# KiCad board electrosteel2020_10_arrange7_synthboardsonlyrev6.kicad_pcb (continued)
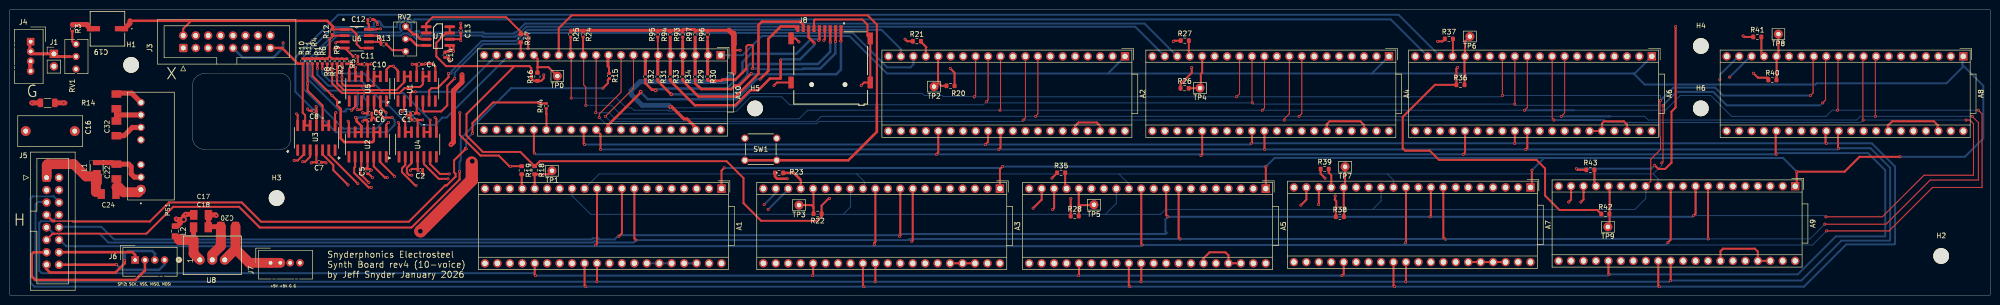
[diagram p0: board, top side]
## Routing (per net, layer and track width the routed paths; a pad name or vN(x,y) marks a point on that pad's centre or on a via; arc(x,y) is an arc through that point)
+3V3: length 105.9
  Top w0.4: 147.68,50 v3(149,50) ; J8.P4 166.26,52.21 v3(166.06,52.01)
  Top w0.61: 114.41,54.07 137.27,54.07 137.44,54.23 139.64,54.23 139.81,54.07 146.75,54.07 ; v4(134.75,38.44) 135.06,38.44 137.52,35.98 138.16,35.98 139.81,34.33 139.81,33.82
  Top w1.016: 146.75,54.07 147.75,53.07 147.75,51.25 147.68,51.18 ; v4(147.68,45.38) 147.68,53.5
  In2.Cu w0.4: v3(166.06,52.01) 165.1,52.97 155.72,52.97 152.75,50 v3(149,50)
  Bottom w1.016: v4(134.75,38.44) 134.44,38.75 129,38.75 126.75,41 126.75,41.75 128.6,43.6 145.91,43.6 v4(147.68,45.38)
+12V: length 44.2
  Top w0.4: 34.67,14.6 34.85,14.78
  Top w0.508: L1.P$1 17.75,24.25 ; C24.1 17.95,20.65 17.55,21.05
  Top w1: C17.1 37.39,16.52 v3(35.88,16.52) 35.48,16.12 v1(35.48,15.45) 34.86,15.45 ; 34.85,14.78 34.67,14.96 34.67,15.26 34.86,15.45 ; 34.86,15.45 34.07,15.45 v3(33.94,15.58)
  Top w1.016: L2.1 34.18,14.11 34.67,14.6
  Top w2: 7.54,24.12 7.54,26.54 7.75,26.75 13.05,26.75 15.55,24.25 17.75,24.25 17.75,23.05 17.55,22.85 17.55,21.05
  Top w2.5: 94.24,27.09 94.24,23.5 83.8,13.06 v2(83.75,13.06)
  vias: v2(94.34,27.34)
+15V: length 150.5
  Top w0.4: U4.11 83.21,35.61 C1.1 v3(84.22,35.78) 84.25,35.75 ; U7.6 91.75,52.25 v3(92,52) C13.1 ; v3(75.62,54.38) 74.88,54.38 74.75,54.25 U6.8 73.25,55.25 73,55.5 73.04,55.54 C12.1 ; U5.11 73.04,46.9 C10.1 73.63,47.13 v3(73.75,47.25) ; U3.11 C8.1 62.54,38.46 v3(62.5,38.5) ; U1.11 C4.1 v3(82.12,47.13) 82,47.25 ; v3(72,35.5) 72.25,35.75 C6.1 72.98,35.56 U2.11
  Top w1: PS1.6 25,34.25 23.3,32.55 C32.1
  In2.Cu w0.4: 74,47.25 v3(73.75,47.25)
  In2.Cu w1: 67.25,30.75 79.19,30.75 v3(84.22,35.78) 85.25,36.81 85.25,44 v3(82.12,47.13) ; 67.25,30.75 64,30.75 62.5,32.25 ; 67.25,30.75 v3(72,35.5) ; 76.5,48.25 75,48.25 74,47.25 ; 76.5,48.25 76.5,53.5 v3(75.62,54.38) ; 76.5,48.25 81,48.25 v3(82.12,47.13) ; v3(82.12,47.13) 86.99,52 v3(92,52) ; 62.5,32.25 60.25,32.25 56,28 37,28 30.75,34.25 PS1.6 ; 62.5,32.25 v3(62.5,38.5)
-15V: length 206.9
  Top w0.4: v3(90.5,49.77) 90.5,50.75 90.27,50.98 U7.5 89.75,50 ; v3(83.48,36.98) 83.48,37.02 83.37,37.13 82.75,37.13 83,37.38 U1.4 ; U4.4 83.21,25.82 83.25,25.78 82.03,25.78 v3(81.75,25.5) ; U3.4 62.54,27.17 C7.2 61.63,27.13 v3(61.5,27) ; U5.4 73.04,37.28 C9.2 72.12,37.13 v3(72,37.25) ; U2.4 72.98,26.18 72.71,25.91 72.71,25.75 73.5,25.75 v3(73.75,25.5) ; v3(66.25,50.25) 66.44,50.44 U6.4 68.35,50.44 C11.1
  Top w0.508: 88.75,49.71 89.46,49.71 89.75,50
  Top w1: C23.2 21.95,41.25 24.83,41.25 PS1.8 ; v3(92.25,45) 92.25,43.5 90.5,41.75 90.5,31.25 v3(90,30.75)
  In2.Cu w1: v3(83.48,36.98) 80.97,39.5 74.25,39.5 v3(72,37.25) 72,46.79 72.03,46.82 72.03,47.68 72,47.71 72,48.75 70.5,50.25 v3(66.25,50.25) 67.5,50.25 73.75,56.5 74.24,56.5 74.5,56.76 75.74,56.76 76,56.5 85.25,56.5 87.75,54 93.25,54 93.75,53.5 93.75,51.5 92.02,49.77 v3(90.5,49.77) 90.5,49.25 92.25,47.5 v3(92.25,45) ; 60.5,26 36,26 32.75,29.25 25.25,29.25 23.25,31.25 23.25,37.5 25.08,39.33 PS1.8 ; 60.5,26 61.5,25 61.75,25 62.5,24.25 72.5,24.25 v3(73.75,25.5) v3(81.75,25.5) 83,26.75 86.5,26.75 86.5,27.25 v3(90,30.75) ; 60.5,26 v3(61.5,27)
DGND4: length 61.6
  Top w0.4: v3(155.9,42.81) 156.5,43.41 J8.SH1 ; J8.SH2 160.27,52.41 v3(160.98,51.7) ; v3(173.68,42.81) 174.28,43.41 J8.SH4 J8.SH3 174.95,52.99 174.95,55.23 173.91,56.27 164.28,56.27 164.06,56.05 J8.P6
  Top w1: v3(42.11,16.27) 41.98,16.39 C17.2 40.52,13.88 C18.2 40.62,13.98 C20.2 ; 4.75,39.25 v3(4.5,39.25) R14.1 ; 21.75,22.05 C22.2
  Top w2: 21.75,22.05 22.2,22.05 23.25,21 26.2,21 PS1.1 ; U8.2 41.31,8.3 43.05,10.04 43.05,13.98 C20.2
  Bottom w0.4: A1.36 A1.35 A1.34
GNDINT: length 63.4
  Top w0.4: U1.14 79.19,45.81 v3(78.25,46.75) 77.5,46.75 76.85,46.1 U5.8 ; C13.2 v3(92,55.5) ; v3(75,55.25) 75,55.65 74.4,56.25 C12.2 ; U2.8 76.79,34.79 v3(77.25,35.25) ; 83.12,52.88 82.75,53.25 ; 83.12,52.88 v3(83.12,53.12) ; 83.12,52.88 83.75,52.25 U7.3 ; U2.14 69.17,35.33 v3(69,35.5) ; U4.8 87.02,35.98 v3(86.75,36.25) ; v3(66.5,51.5) 66.71,51.71 U6.3 ; v3(64.5,27) 64.37,27.13 C7.1 ; 81.79,36.75 81.79,36.07 C1.2 ; 81.79,36.75 81.79,37.13 ; 81.79,36.75 81.5,36.75 81.45,36.8 81.41,36.75 v3(81,36.75) ; U4.14 79.4,35.1 v3(79.25,35.25) ; v3(60.75,38) 61.12,37.63 C8.2 ; C10.2 71.12,47.13 v3(71,47.25) C11.2 ; v3(58.5,37) 58.73,36.77 U3.14 ; v3(74.71,35.74) 74.71,35.79 74.25,36.25 73.85,36.25 ; 84.21,25.78 84.25,25.74 v3(84.25,24.5) ; C14.2 89.48,48.52 89.75,48.25 v3(89.75,47.75) ; U3.8 66.35,37.1 v3(66.5,37.25) ; v3(69.48,46.48) 69.23,46.23 U5.14 ; 73.85,36.25 73.85,35.85 C6.2 ; 73.85,36.25 C9.1 ; U1.8 86.81,46.69 86.25,47.25 v3(84.75,47.25) 84.63,47.13 C4.2 ; C5.1 73.21,24.79 v3(74,24)
  Top w0.508: RV2.3 82.33,53.25 82.75,53.25
  Top w0.61: 4.08,45.5 4.08,47.5 4.08,47 4.35,46.73
  Top w1: 9.17,39.25 v3(11,39.25) 11.25,39.25 ; PS1.7 21.79,36.79 21.75,36.75 ; 21.75,36.75 C32.2 ; 21.75,36.75 C23.1
/electrosteel2020_10_arrange7_synthboardsonlyrev6_1/CLK: length 44.6
  Top w0.508: 129.65,43.76 129.65,43.28 131,41.93 131.63,41.93 v4(131.75,41.81) ; J8.P5 165.16,52.16 v3(165.02,52.02)
  Bottom w0.508: v4(131.75,41.81) 131.99,42.05 133.79,42.05 133.92,42.18 146.25,42.18 149.46,45.39 149.46,47.56 151.17,49.27 160.45,49.27 163.4,52.22 164.82,52.22 v3(165.02,52.02)
/electrosteel2020_10_arrange7_synthboardsonlyrev6_1/CMD: length 46.7
  Top w0.4: 132.19,43.76 R31.2
  Top w0.508: 132.19,43.76 132.19,43.73 v4(134.92,41) ; v3(167.37,51.62) 167.36,51.63 J8.P3
  Bottom w0.508: v4(134.92,41) 147.66,41 148.8,42.14 148.8,43.21 150.49,44.9 150.47,44.93 150.47,46.68 150.98,47.19 164.87,47.19 167.37,49.69 v3(167.37,51.62)
/electrosteel2020_10_arrange7_synthboardsonlyrev6_1/DAT0: length 42.9
  Top w0.4: 134.73,43.76 R33.2
  Top w0.508: 134.73,43.76 139.72,38.77 147.99,38.77 151.06,41.84 152.67,41.84 155.06,44.23 157.25,44.23 v3(157.25,47.98) ; J8.P7 162.96,52.64 164.09,51.51 v3(164.09,51.43)
  Bottom w0.508: v3(164.09,51.43) 164.09,51.03 161.2,48.14 157.42,48.14 v3(157.25,47.98)
/electrosteel2020_10_arrange7_synthboardsonlyrev6_1/DAT1: length 39.5
  Top w0.4: 137.27,43.76 R34.2
  Top w0.508: J8.P8 161.86,55.22 161.25,55.83 153.43,55.83 152.73,55.13 152.73,45.2 148.1,40.57 148.1,40.55 140.48,40.55 137.27,43.76
/electrosteel2020_10_arrange7_synthboardsonlyrev6_1/DAT2: length 41.2
  Top w0.4: 139.81,43.76 R29.2
  Top w0.508: 169.5,51.86 169.56,51.92 J8.P1 ; 139.81,43.76 139.81,43.26 140.48,42.58 140.57,42.58 141.08,42.07 147.18,42.07 147.94,42.84 148.84,42.84 v3(151.25,45.25)
  Bottom w0.508: v3(151.25,45.25) 151.4,45.1 168.6,45.1 169.55,46.05 v3(169.55,51.84)
/electrosteel2020_10_arrange7_synthboardsonlyrev6_1/DAT3: length 43.6
  Top w0.4: 150.25,46.25 150.25,50.75 150.57,51.06 151.45,51.06 151.58,50.94 151.58,46.4 v3(151.43,46.25) ; 142.35,43.76 R30.2
  Top w0.508: J8.P2 168.46,51.83 v3(168.42,51.79) ; 142.35,43.76 145.14,43.76 145.4,44.02 148.02,44.02 150.25,46.25
  Bottom w0.4: 161.9,46.25 161.76,46.11 152.64,46.11 152.5,46.25 152.4,46.25
  Bottom w0.508: 161.9,46.22 161.9,46.25 165.32,46.25 168.42,49.35 v3(168.42,51.79) ; 152.5,46.25 v3(151.43,46.25)
/electrosteel2020_10_arrange7_synthboardsonlyrev6_1/I2C_SCL: length 558.7
  Top w0.2: v3(117.5,38.75) 117.5,42.5 117.07,42.93 A10.12 ; A6.12 307.03,39.03 v3(307,39) ; v3(253.5,39.25) 253.41,39.34 A4.12 ; A2.12 199.57,39.82 v3(199.25,39.5) ; v3(337.25,38.75) 337.25,27.25 v3(337,27) ; 370.41,48.75 370.41,39.82 v3(369.84,39.25)
  Top w0.4: 116.95,52.39 116.95,49.11 A10.12
  Bottom w0.2: 172.75,24.75 226.25,24.75 ; 172.75,24.75 174.39,23.11 174.39,22.1 A3.12 ; 172.75,24.75 120.25,24.75 A1.12 ; 226.25,24.75 281,24.75 ; 226.25,24.75 228.28,22.72 A5.12 ; A7.12 282.28,23.47 281,24.75 ; v3(199.25,39.5) 199.5,39.25 v3(253.5,39.25) 253.75,39 v3(307,39) 307.25,38.75 v3(337.25,38.75) ; v3(199.25,39.5) 199.38,39.38 ; v3(199.25,39.5) 198.62,38.87 159.07,38.87 157.44,40.5 151.16,40.5 148.16,37.5 136.5,37.5 136,37 124.5,37 122.75,38.75 v3(117.5,38.75) ; 281,24.75 335.25,24.75 ; 335.25,24.75 337,26.5 v3(337,27) ; 335.25,24.75 336.28,23.72 A9.12 ; 369.34,38.75 v3(369.84,39.25)
  Bottom w0.4: 369.34,38.75 350.25,38.75 347.5,41.5 340,41.5 v3(337.25,38.75)
/electrosteel2020_10_arrange7_synthboardsonlyrev6_1/I2C_SDA: length 566.1
  Top w0.2: A10.13 v3(114.53,40.23) ; 367.87,48.75 367.87,41.28 v3(367.34,40.75) ; 196.75,40.25 v3(196.75,40.5) 197.03,40.78 A2.13 ; v3(250.25,40.5) 250.87,41.12 A4.13 ; A6.13 304.49,40.76 v3(304.5,40.75) ; v3(336.75,39.75) 336.62,39.62 336.62,32.38 336.75,32.25 336.75,29.75 334.75,27.75 334.75,23.26 A9.13
  Top w0.4: 114.41,52.39 114.41,49.11 A10.13
  Bottom w0.2: v3(114.53,40.23) 123.77,40.23 125.75,38.25 126.82,38.25 127.32,37.75 134.26,37.75 134.4,37.61 135.1,37.61 135.24,37.75 135.25,37.75 135.75,38.25 148,38.25 150.92,41.17 186.17,41.17 186.59,40.75 190.2,40.75 190.4,40.55 196.7,40.55 v3(196.75,40.5) v3(250.25,40.5) 304.25,40.5 v3(304.5,40.75) 336.75,40.75 v3(336.75,39.75) ; 223.5,16.5 234.75,16.5 235.75,17.5 278,17.5 ; 223.5,16.5 225.75,18.75 225.74,18.76 A5.13 ; 223.5,16.5 170,16.5 ; A3.13 171.5,18 170,16.5 ; 278,17.5 331.5,17.5 333.75,19.75 333.74,19.76 A9.13 ; 278,17.5 279.75,19.25 279.75,20 279.74,20.01 A7.13 ; 170,16.5 118.5,16.5 114.71,20.29 A1.13
  Bottom w0.4: v3(336.75,39.75) 339.37,42.37 347.88,42.37 349.5,40.75 v3(367.34,40.75)
/electrosteel2020_10_arrange7_synthboardsonlyrev6_1/IN_N: length 564.4
  Top w0.4: v3(335.57,26.51) 336.31,25.77 337.7,25.77 338.98,27.05 338.98,37.47 339.82,38.31 v3(339.82,54.82) ; R39.1 267.41,24.78 v3(268.31,23.88) ; v3(212.6,23.89) 213.64,24.94 R35.1 ; v3(291.28,51.8) 292.24,51.8 R37.1 ; v3(105.72,50.38) 105.74,50.4 105.74,52.87 105.33,53.28 R17.1 104.37,53.42 104.37,53.63 101.25,56.75 86.25,56.75 84.95,55.45 U7.1 U7.2 ; v3(91.81,37.25) 91.81,32.69 96,28.5 99.75,28.5 101.92,26.33 R19.1 ; v3(237.37,51.8) 237.52,51.95 R27.1 ; R21.1 183.06,51.83 v3(182.63,52.26) ; R43.1 319.81,25.59 v3(319.58,25.82) ; v3(353.59,52.92) 353.8,52.71 R41.1
  Top w0.508: R23.1 156.1,24.19 156.53,23.77 v3(158.59,23.77)
  In2.Cu w0.4: v3(158.59,23.77) 158.36,24 157.71,24 ; 183.5,51.75 291.33,51.75 v3(291.28,51.8) 294.26,54.78 351.73,54.78 v3(353.59,52.92) ; 183.5,51.75 183.87,51.75 ; 183.5,51.75 182.47,51.75 182.47,52.1 v3(182.63,52.26) 178.05,52.26 174.88,49.09 155.22,49.09 154.79,48.66 154.79,48.65 148.66,48.65 148.66,48.65 147.65,49.67 147.65,50.68 146.58,51.75 106.2,51.75 ; 212.24,24 157.71,24 ; 212.24,24 212.49,24 v3(212.6,23.89) ; 212.24,24 268.19,24 v3(268.31,23.88) ; v3(91.81,37.25) 91.81,38.56 95.63,42.38 95.63,46.63 94.23,48.03 94.23,49.89 96.09,51.75 106.2,51.75 ; 157.71,24 104.46,24 v3(102.15,26.31) ; 106.2,51.75 106.2,50.86 v3(105.72,50.38)
  Bottom w0.4: v3(319.58,25.82) 334.88,25.82 v3(335.57,26.51)
/electrosteel2020_10_arrange7_synthboardsonlyrev6_1/IN_P: length 588.3
  Top w0.4: R40.1 358.75,43.97 358.32,44.39 ; v3(216.45,19.75) 216.42,19.72 216.42,18.37 216.42,18.36 R28.1 ; 358.78,44.39 358.32,44.39 ; 358.32,44.39 356.62,44.39 v3(355.71,45.3) ; v3(241.11,46.47) 241.11,45.38 238.84,43.1 R26.1 ; 102.82,46.63 93.16,36.97 93.16,32.59 96.5,29.25 104.14,29.25 R18.1 108.09,27.34 146.23,27.34 149.67,23.9 149.67,18.79 153.27,15.19 164.72,15.19 165.61,16.08 165.61,18.28 167.07,19.75 v3(167.21,19.75) ; R42.1 323.84,17.4 316.12,17.4 313.2,20.32 313.2,25.86 311.45,27.61 291.56,27.61 289.67,29.5 284.65,29.5 284.15,30 284.15,36.37 290.72,42.94 R36.1 295.1,46.24 v3(295.36,46.5) ; 270.6,18 270.5,17.91 R38.1 ; 270.6,18 270.6,19.19 270.28,19.51 270.37,19.6 v3(270.37,20.25) ; 270.6,18 270.6,17.73 ; v3(108.93,44.96) 108.93,44.26 108.42,43.75 R16.1 106.92,43.75 106.37,44.31 106.37,46.37 106,46.74 106,46.75 89,46.75 87,48.75 87,51.5 89.02,53.52 U7.7 U7.8 ; R20.1 192.73,45.41 v3(191.85,46.29)
  In2.Cu w0.4: v3(355.71,45.3) 354.52,46.49 294.71,46.49 294.7,46.5 ; v3(191.85,46.29) 190.67,47.47 167.78,47.47 167.75,47.5 167.5,47.25 145.5,47.25 144.75,46.5 109.4,46.5 109.4,45.43 v3(108.93,44.96) ; 295.5,46.5 294.7,46.5 ; 294.7,46.5 241.14,46.5 v3(241.11,46.47) 240.89,46.25 191.91,46.25 ; v3(270.37,20.25) 219.62,20.25 219.12,19.75 v3(216.45,19.75) v3(167.21,19.75)
/electrosteel2020_10_arrange7_synthboardsonlyrev6_1/MASTER_SIGNAL: length 581.9
  Top w0.4: A5.1 256.22,25.97 256.25,26 v3(256.25,26.25) ; v3(385.59,28.25) 377.34,28.25 374.31,25.22 ; v3(202.5,26.25) 201.98,25.73 A3.1 ; 374.31,25.22 374.34,25.25 ; 374.31,25.22 v3(364.53,25.22) 364.53,22.25 ; A1.1 145.19,25.44 v3(145.75,26) ; A7.1 310.5,22.28 v3(310.5,25.5)
  Bottom w0.4: 224.01,45.25 178.94,45.25 171.29,52.9 153.4,52.9 149.49,48.99 A10.1 ; 224.01,45.25 A2.1 ; 224.01,45.25 277.85,45.25 ; 331.25,45.25 333.5,43 368.34,43 368.59,43.25 395.09,43.25 398.35,46.51 398.35,48.75 398.35,46.99 402.59,42.75 402.59,32 398.84,28.25 v3(385.59,28.25) ; 331.25,45.25 331.47,45.25 A6.1 ; 331.25,45.25 277.85,45.25 ; v3(364.53,25.22) 361.75,28 313,28 ; 277.85,45.25 A4.1 ; 313,28 v3(310.5,25.5) ; 313,28 312.98,28.02 258.02,28.02 v3(256.25,26.25) v3(202.5,26.25) 202.21,25.96 145.79,25.96 v3(145.75,26)
/electrosteel2020_10_arrange7_synthboardsonlyrev6_1/MISO_2: length 4.5
  Top w0.4: 122.03,46.75 122.24,46.54 122.24,45.38 R15.1 122.31,45.27 122,45.27
  Top w0.61: 122.03,49.31 122.03,46.75
/electrosteel2020_10_arrange7_synthboardsonlyrev6_1/MISO_POSTRES: length 137.4
  Top w0.356: 8.96,12.56 27.87,12.56 27.97,12.66
  Top w0.4: 8.96,12.56 8.76,12.56 J5.11 ; v3(91.75,25.25) 91.75,23.6 81.96,13.81 51,13.81 46.76,18.05 33.36,18.05 27.97,12.66 ; R15.2 122,43.94 122,43.79 122.03,43.76 122.03,43.28 v3(121,42.25)
  Bottom w0.4: 91.75,25.5 v3(91.75,25.25) 91.75,27.25 92,27.5 92,32 102.25,42.25 v3(121,42.25)
/electrosteel2020_10_arrange7_synthboardsonlyrev6_1/MOSI_2: length 817.2
  Top w0.2: A2.11 202.11,37.86 v3(202,37.75) ; v3(370.62,13.12) 383.38,13.12 392.25,22 402.34,22 402.34,37 v3(401.59,37.75) ; v3(119.5,37.25) 119.61,37.36 A10.11 ; A4.11 255.95,38.2 v3(255.5,37.75) ; v3(309,37.75) 309.57,38.32 A6.11 ; 372.95,48.75 372.95,37.86 v3(372.84,37.75)
  Top w0.4: A5.11 230.82,10.43 v3(231,10.25) ; A1.11 119.79,10.54 v3(119.5,10.25) ; v3(176.38,10.38) 176.38,10.72 176.58,10.92 A3.11 ; v3(284.75,10.75) 284.82,10.82 A7.11 ; A9.11 338.82,11.32 v3(338.25,10.75)
  Bottom w0.2: 337.75,10.25 367.75,10.25 v3(370.62,13.12) 370.75,13.25 ; v3(309,37.75) v3(255.5,37.75) v3(202,37.75) 162.75,37.75 161,36 123.5,36 122.25,37.25 v3(119.5,37.25) ; 319.09,37.75 337.75,37.75 340.75,40.75 347,40.75 351.25,36.5 370.5,36.5 371.75,37.75 v3(372.84,37.75) v3(401.59,37.75)
  Bottom w0.4: 284.25,10.25 v3(284.75,10.75) ; 284.25,10.25 v3(231,10.25) 230.75,10 176,10 ; 284.25,10.25 337.75,10.25 v3(338.25,10.75) ; 319.09,37.75 v3(309,37.75) ; 119.25,10 176,10 ; 119.25,10 11.5,10 10.08,11.42 ; 119.25,10 v3(119.5,10.25) ; 176,10 v3(176.38,10.38)
/electrosteel2020_10_arrange7_synthboardsonlyrev6_1/OUT1_N: length 22.6
  Top w0.4: v3(82.75,41.5) 82,41.5 81.73,41.23 U1.3
  Bottom w0.4: A10.19 91.8,41.5 v3(82.75,41.5) 83,41.5
/electrosteel2020_10_arrange7_synthboardsonlyrev6_1/OUT1_P: length 32.3
  Top w0.4: U1.2 80.46,37.96 v3(80,37.5) 80.12,37.62
  Top w0.813: 101.71,49.31 101.71,48.68
  Bottom w0.4: A10.18 89.09,36.25 88.25,36.25 86.75,34.75 84,34.75 81.75,37 81.75,37.5 v3(80,37.5)
/electrosteel2020_10_arrange7_synthboardsonlyrev6_1/OUT1_S: length 49
  Top w0.4: R9.1 66.75,43.25 68.12,41.88 78.88,41.88 80.46,43.46 U1.13 U1.12
  In2.Cu w0.508: v3(55.75,51.5) 57.5,51.5 61.75,47.25 61.75,45.75 63,44.5 v3(66.75,44.5)
  Bottom w0.508: J3.9 47.5,48.5 53.75,48.5 55.75,50.5 v3(55.75,51.5)
/electrosteel2020_10_arrange7_synthboardsonlyrev6_1/OUT2_N: length 18.2
  Top w0.4: U4.6 85.75,26.75 87.75,24.75 v3(89.65,24.75)
  In2.Cu w0.4: v3(89.65,24.75) 90.9,23.5 99.15,23.5 99.62,23.03 99.62,21.75
/electrosteel2020_10_arrange7_synthboardsonlyrev6_1/OUT2_P: length 25.5
  Top w0.4: U4.5 84.48,26.77 87.5,23.75 v3(89.4,23.75)
  In2.Cu w0.4: 102.16,21.75 102.16,20.01 101.4,19.25 95.9,19.25 95.4,19.75 95.4,21.75 94.65,22.5 90.65,22.5 v3(89.4,23.75)
/electrosteel2020_10_arrange7_synthboardsonlyrev6_1/OUT2_S: length 53.9
  Top w0.4: v3(85.75,35.75) U4.9 U4.10 ; R8.1 v3(64.75,45.75)
  In2.Cu w0.508: v3(64.75,45.75) 64.75,48.75 58,55.5 50.58,55.5 J3.12
  Bottom w0.4: v3(85.75,35.75) 80.25,41.25 76.25,41.25 72.25,45.25 65.25,45.25 v3(64.75,45.75)
/electrosteel2020_10_arrange7_synthboardsonlyrev6_1/OUT3_N: length 107.2
  Top w0.4: U1.6 85.54,41.79 86,42.25 87.25,42.25 89.5,44.5 v3(89.5,45.25)
  Bottom w0.4: 103.39,52 103.76,52.37 103.82,52.37 105.62,54.17 177.83,54.17 181.79,50.21 A2.19 ; v3(89.5,45.25) 90.12,45.25 90.12,45.73 96.27,51.88 103.25,51.88
/electrosteel2020_10_arrange7_synthboardsonlyrev6_1/OUT3_P: length 116.6
  Top w0.4: v3(90.75,44.25) 89.25,42.75 89.25,38.75 88,37.5 84.5,37.5 84.27,37.73 U1.5
  Bottom w0.4: A2.18 184.33,47.08 183.75,46.5 179,46.5 171.96,53.54 105.88,53.54 104.08,51.74 104.02,51.74 103.65,51.37 103.63,51.37 103.51,51.25 96.53,51.25 90.75,45.47 v3(90.75,44.25)
/electrosteel2020_10_arrange7_synthboardsonlyrev6_1/OUT3_S: length 55.2
  Top w0.4: U1.9 U1.10 84.27,43.06 83.71,42.5 82.11,42.5 82,42.39 82,42.25 80.5,42.25 79.5,41.25 67.75,41.25 65.75,43.25 R7.1
  In2.Cu w0.508: v3(65.75,46) 66,46.25 66,49.11 58.61,56.5 49.04,56.5 J3.10
/electrosteel2020_10_arrange7_synthboardsonlyrev6_1/OUT4_N: length 84.9
  Top w0.4: U4.3 81.94,26.94 81,26 81,25 81.5,24.5 v3(82,24.5)
  In2.Cu w0.4: 81.65,24.5 v3(82,24.5) 82.67,23.83 83.08,23.83 85.42,21.5 94.15,21.5 94.4,21.25 94.4,19.5 95.4,18.5 v3(153.9,18.5)
  Bottom w0.4: 156.41,21.75 156.41,21.01 v3(153.9,18.5)
/electrosteel2020_10_arrange7_synthboardsonlyrev6_1/OUT4_P: length 88.2
  Top w0.4: v3(82.88,22.38) 82.76,22.5 82.61,22.5 80,25.11 80,25.89 80.67,26.56 U4.2
  In2.Cu w0.4: v3(154.7,17.5) 94.9,17.5 93.15,19.25 93.15,20.75 84.51,20.75 v3(82.88,22.38)
  Bottom w0.4: 158.95,21.75 v3(154.7,17.5)
/electrosteel2020_10_arrange7_synthboardsonlyrev6_1/OUT4_S: length 44.9
  Top w0.4: R6.1 v3(63.75,46.25) ; v3(80.25,35.75) 80.67,35.33 U4.13 U4.12
  In2.Cu w0.508: J3.14 52.37,54.75 57.25,54.75 63.75,48.25 v3(63.75,46.25)
  Bottom w0.4: v3(63.75,46.25) 63.75,45.25 65.25,43.75 71.75,43.75 76,39.5 76.5,39.5 v3(80.25,35.75)
/electrosteel2020_10_arrange7_synthboardsonlyrev6_1/OUT5_N: length 201.4
  Top w0.4: v3(70.88,37.87) 71.59,37.87 71.7,37.98 71.77,37.98 U5.3
  Bottom w0.4: A4.19 229.58,54.8 105.36,54.8 103.56,53 103.28,53 103.03,52.75 96.61,52.75 96.36,53 83.85,53 83.85,52.82 83.43,52.4 82.82,52.4 82.4,52.82 82.4,53 81.67,53 81.23,53.44 80.27,53.44 79.83,53 66.75,53 61.25,47.5 61.25,44.75 64.25,41.75 71,41.75 71,38.95 70.88,38.83 v3(70.88,37.87)
/electrosteel2020_10_arrange7_synthboardsonlyrev6_1/OUT5_P: length 206.4
  Top w0.4: v3(69.75,37.75) 70.15,38.15 70.15,38.18 70.5,38.53 U5.2
  Bottom w0.4: A4.18 231.48,55.44 105.11,55.44 103.3,53.63 103.02,53.63 102.77,53.38 96.87,53.38 96.62,53.63 83.65,53.63 83.43,53.85 82.82,53.85 82.6,53.63 81.93,53.63 81.55,54.01 81.9,54.35 81.9,55.31 81.23,55.98 80.27,55.98 79.6,55.31 79.6,54.35 79.95,54.01 79.57,53.63 66.49,53.63 60.62,47.76 60.62,44.31 67.43,37.5 68.5,37.5 68.5,37.75 68.75,38 69.5,38 v3(69.75,37.75)
/electrosteel2020_10_arrange7_synthboardsonlyrev6_1/OUT5_S: length 47.1
  Top w0.4: U5.12 U5.13 v3(70.5,46.5) 69.77,47.23 R5.1
  In2.Cu w0.4: v3(70.5,46.5) 70.5,41.5 67.75,38.75 65,38.75 64.25,39.5 61,39.5 60.17,40.33 60.16,40.33 58.25,42.24 58.25,42.67 58.17,42.67 58,42.84 58,44 56,46 44.92,46 J3.5
/electrosteel2020_10_arrange7_synthboardsonlyrev6_1/OUT6_N: length 144.1
  Top w0.4: v3(208.75,17.75) 210.5,19.5 A5.19 ; v3(78.5,24.25) 75.52,27.23 U2.6
  In2.Cu w0.4: v3(208.75,17.75) 207.5,16.5 94.9,16.5 91.9,19.5 91.9,19.75 85.77,19.75 85.4,20.12 82.63,20.12 v3(78.5,24.25)
/electrosteel2020_10_arrange7_synthboardsonlyrev6_1/OUT6_P: length 149.9
  Top w0.4: A5.18 213.04,17.79 v3(212.75,17.5) ; v3(77,24) 76.53,24 74.25,26.28 U2.5
  In2.Cu w0.4: v3(77,24) 82,19 91.15,19 94.4,15.75 211,15.75 v3(212.75,17.5)
/electrosteel2020_10_arrange7_synthboardsonlyrev6_1/OUT6_S: length 51.1
  Top w0.4: 67.12,38.38 66.75,38.75 66.75,39.75 61.75,44.75 R4.1 ; U2.9 U2.10
  Top w0.508: U2.10 74.25,31.5 74,31.25 68.25,31.25 67.5,32 67.5,38 67.12,38.38
  In2.Cu w0.508: J3.11 50.79,47.75 57.5,47.75 59.75,45.5 59.75,42.75 60.75,41.75 64.75,41.75 v3(65.75,40.75)
/electrosteel2020_10_arrange7_synthboardsonlyrev6_1/OUT7_N: length 271.1
  Top w0.4: v3(76.75,37.25) 75.58,38.42 U5.6
  Bottom w0.4: A6.19 281.71,56.29 82.53,56.29 82.53,55.57 81.49,56.61 80.01,56.61 78.97,55.57 78.97,54.75 76.28,54.75 75.93,55.1 75.73,55.1 75.73,55.55 75.3,55.98 74.7,55.98 74.27,55.55 74.27,54.95 74.47,54.75 66,54.75 59.99,48.74 59.99,42.04 68,34.03 68,34 74.75,34 76.75,36 v3(76.75,37.25)
/electrosteel2020_10_arrange7_synthboardsonlyrev6_1/OUT7_P: length 279.7
  Top w0.4: v3(78,36.25) 76.28,36.25 75.03,37.5 74.75,37.5 74.31,37.94 U5.5
  Bottom w0.4: v3(78,36.25) 78.5,35.75 78.5,34.75 77,33.25 66.53,33.25 58.25,41.53 58.25,48.5 66.99,57.24 283.3,57.24 A6.18
/electrosteel2020_10_arrange7_synthboardsonlyrev6_1/OUT7_S: length 48.8
  Top w0.4: R2.1 67.75,43.25 68.25,42.75 74.25,42.75 74.25,44.6 U5.10 U5.9
  In2.Cu w0.508: v3(67.75,44.48) 67.75,40.5 66.75,39.5 65.5,39.5 64.5,40.5 61,40.5 60.49,41.01 60.44,41.01 59,42.46 59,42.98 58.75,43.23 58.75,44.75 56.75,46.75 46.71,46.75 J3.7
/electrosteel2020_10_arrange7_synthboardsonlyrev6_1/OUT8_N: length 205
  Top w0.4: v3(73.25,23) 71.5,24.75 71.5,25.5 71.71,25.71 U2.3 ; A7.19 264.5,19.5 v3(263.38,18.38)
  In2.Cu w0.4: v3(263.38,18.38) 260,15 93.9,15 90.65,18.25 81.15,18.25 76.4,23 v3(73.25,23)
/electrosteel2020_10_arrange7_synthboardsonlyrev6_1/OUT8_P: length 210.2
  Top w0.4: A7.18 267.04,18.54 v3(267,18.5) ; v3(73.75,22) 73.22,22 70.25,24.97 70.25,26 70.44,26.19 U2.2
  In2.Cu w0.4: v3(73.75,22) 73.75,21.75 77.88,17.62 85.3,17.62 88.92,14 262.5,14 v3(267,18.5)
/electrosteel2020_10_arrange7_synthboardsonlyrev6_1/OUT8_S: length 39.1
  Top w0.4: U2.12 U2.13 ; R1.1 v3(62.75,46.25)
  Top w0.508: v3(70.5,36.25) 70.75,36 70.75,35.5 71.71,34.54 U2.12
  In2.Cu w0.508: J3.16 57.25,53 62.75,47.5 v3(62.75,46.25)
  Bottom w0.4: 73,39 72.88,39.12 72.88,39.62 72.25,40.25 72.25,42 71.5,42.75 65,42.75 62.75,45 v3(62.75,46.25)
  Bottom w0.508: 73,39 73,36.75 72.53,36.28 70.53,36.28 v3(70.5,36.25)
/electrosteel2020_10_arrange7_synthboardsonlyrev6_1/OUT9_N: length 307.3
  Top w0.4: v3(59.75,27.25) 60.25,27.25 61.27,28.27 U3.3
  In2.Cu w0.4: v3(59.75,27.25) 61.5,29 86,29 96.5,39.5 118,39.5 118.5,40 123.5,40 124.75,38.75 128.25,38.75 128.75,39.25 146.75,39.25 148.77,41.27 159.33,41.27 162.78,44.72 348.12,44.72 v3(348.84,44)
  Bottom w0.4: 352.63,48.75 348.88,45 348.88,44.04 v3(348.84,44)
/electrosteel2020_10_arrange7_synthboardsonlyrev6_1/OUT9_P: length 312.1
  Top w0.4: U3.2 60,28.75 58.75,27.5 v3(58,27.5)
  In2.Cu w0.4: v3(58,27.5) 60.25,29.75 85.5,29.75 97.36,41.61 120.28,41.61 121.17,40.72 127.93,40.72 128.68,39.98 145.88,39.98 147.9,42 157.41,42 161.27,45.86 191.25,45.86 191.55,45.56 192.15,45.56 192.21,45.62 241.15,45.62 241.27,45.74 241.41,45.74 241.53,45.86 294.97,45.86 295.06,45.77 295.66,45.77 295.75,45.86 349.48,45.86 v3(350.84,44.5)
  Bottom w0.4: 355.17,48.75 355.09,48.75 v3(350.84,44.5)
/electrosteel2020_10_arrange7_synthboardsonlyrev6_1/OUT9_S: length 22
  Top w0.4: U3.13 60.25,34.64 ; 60.25,34.64 U3.12 ; 60.25,34.64 60.25,36.75 59.75,37.25 R10.1
  Top w0.508: R10.1 58.75,47.25 55.54,50.46 J3.15
/electrosteel2020_10_arrange7_synthboardsonlyrev6_1/OUT10_N: length 266.4
  Top w0.4: v3(71,22.75) 65.08,28.67 U3.6 ; v3(318,19) 318.5,19.5 A9.19
  In2.Cu w0.4: v3(71,22.75) 76.76,16.99 85.01,16.99 88,14 88.03,14 88.66,13.37 261.67,13.37 262.16,12.88 311.88,12.88 v3(318,19)
/electrosteel2020_10_arrange7_synthboardsonlyrev6_1/OUT10_P: length 272.2
  Top w0.4: 63.81,28.72 U3.5 63.81,28.75 66,26.56 66,25.5 v3(69,22.5) ; A9.18 321.04,19.54 v3(320.5,19)
  In2.Cu w0.4: v3(69,22.5) 75.5,16 85,16 87.25,13.75 87.36,13.75 87.74,13.37 87.76,13.37 88.39,12.74 261.41,12.74 261.9,12.25 313.75,12.25 v3(320.5,19)
/electrosteel2020_10_arrange7_synthboardsonlyrev6_1/OUT10_S: length 30.6
  Top w0.4: U3.9 U3.10 63.81,38.69 60.75,41.75 60.75,43.15 v3(60.72,43.18) 60.75,43.21 R11.1
  In2.Cu w0.508: v3(60.72,43.18) 60.75,43.21 60.75,47 60.25,47.5 60,47.5 58.75,48.75 52.33,48.75 J3.13
/electrosteel2020_10_arrange7_synthboardsonlyrev6_1/OUT_PRECAP: length 59.2
  Top w0.4: J3.2 35.38,54.38 37,56 ; R12.2 65.77,54.25 U6.1 69.75,54.25 70.75,53.25 70.75,51.25 71.56,50.44 U6.5
  Top w0.508: R12.2 65.75,54.5 66,54.75 64.75,56 24.5,56
  Top w1: 24.5,56 24.5,55.49 23.4,54.39 C19.1
/electrosteel2020_10_arrange7_synthboardsonlyrev6_1/PA1_SD_DETECT: length 53.1
  Top w0.508: v3(153.07,44.12) 154.74,45.79 154.74,52.31 157.27,54.85 160.08,54.85 160.52,54.41 J8.P9 ; v4(128.68,41.53) 128.61,41.46 128.61,41.28 122.03,34.71
  Top w0.61: 122.03,34.07 122.03,34.71
  Bottom w0.508: v3(153.07,44.12) 152.33,44.12 150,41.79 150,41.75 148.25,40 130.14,40 128.68,41.46 v4(128.68,41.53)
/electrosteel2020_10_arrange7_synthboardsonlyrev6_1/SCLK_2: length 798.2
  Top w0.2: v3(399.09,35.75) 399.84,35.75 400.59,35 400.59,24.5 390.5,24.5 382,16 v3(370.5,16) ; A10.9 124.69,41.44 120.25,37 v3(120.25,36.25) ; v3(260,35.75) 260,36 261.03,37.03 A4.9 ; A6.9 314.65,36.1 v3(315,35.75) ; 378.03,48.75 378.03,35.81 v3(378.09,35.75) ; v3(206.75,35.75) 207.19,36.19 A2.9
  Top w0.4: v3(124.25,12.01) 124.87,12.63 A1.9 ; v3(236.25,16) 235.9,16.35 A5.9 ; A7.9 289.9,16.15 v3(289.75,16) ; A9.9 343.9,16.65 v3(343.5,16.25) ; v3(181.5,12.01) 181.66,12.17 A3.9
  Bottom w0.2: v3(206.75,35.75) 206.47,35.47 165.07,35.47 164.61,35 121.5,35 v3(120.25,36.25) ; v3(206.75,35.75) v3(260,35.75) v3(315,35.75) ; v3(206.75,35.75) 207,35.75 ; v3(399.09,35.75) v3(378.09,35.75) 377.59,35.25 325.75,35.25 325.25,35.75 325.09,35.75 ; v3(343.5,16.25) 370.25,16.25 v3(370.5,16)
  Bottom w0.4: 124.25,12.25 181.25,12.25 181.5,12.5 ; 124.25,12.25 v3(124.25,12.01) ; 124.25,12.25 123.38,11.38 120.29,11.38 120.06,11.61 118.94,11.61 118.71,11.38 21.25,11.38 18.67,13.96 10.08,13.96 ; 181.5,12.5 235.75,12.5 236,12.75 235.75,13 235.75,15.5 v3(236.25,16) v3(289.75,16) 343.25,16 v3(343.5,16.25) ; 181.5,12.5 v3(181.5,12.01) ; 325.25,35.75 v3(315,35.75)
/electrosteel2020_10_arrange7_synthboardsonlyrev6_1/SD_CLK: length 3.6
  Top w0.61: 129.65,49.06 129.65,45.46
/electrosteel2020_10_arrange7_synthboardsonlyrev6_1/SD_CMD: length 7.2
  Top w0.305: 132.19,51.85 132.19,49.31
  Top w0.4: 132.19,51.85 R95.1
  Top w0.61: 132.19,49.31 132.19,45.46
/electrosteel2020_10_arrange7_synthboardsonlyrev6_1/SD_DAT0: length 7.2
  Top w0.4: 134.73,45.46 R33.1
  Top w0.61: 134.73,52.37 134.73,45.46
/electrosteel2020_10_arrange7_synthboardsonlyrev6_1/SD_DAT1: length 7.6
  Top w0.4: 137.27,51.85 R93.1 ; 137.27,45.46 R34.1
  Top w0.61: 137.27,51.85 137.27,45.46
/electrosteel2020_10_arrange7_synthboardsonlyrev6_1/SD_DAT2: length 7.2
  Top w0.4: 139.81,45.46 R29.1
  Top w0.61: 139.81,52.37 139.81,45.46
/electrosteel2020_10_arrange7_synthboardsonlyrev6_1/SD_DAT3: length 7.6
  Top w0.4: 142.35,45.46 R30.1 ; 142.35,51.85 R96.1
  Top w0.61: 142.35,51.85 142.35,45.46
/electrosteel2020_10_arrange7_synthboardsonlyrev6_1/SPI2_MISO: length 27.8
  Top w0.508: v3(23.45,7.11) 23.45,6.52 21.55,4.62 8.19,4.62 7.5,5.31 J5.15
  Bottom w0.508: v3(23.45,7.11) 23.45,8.4 24.07,9.02 29.07,9.02 29.69,8.4 29.57,8.28 J6.3
/electrosteel2020_10_arrange7_synthboardsonlyrev6_1/SPI2_MOSI: length 23.4
  Top w0.508: J5.16 21.68,6.22 v3(21.73,6.27)
  Bottom w0.508: J6.4 31.57,6.28 30.47,5.18 22.82,5.18 v3(21.73,6.27)
/electrosteel2020_10_arrange7_synthboardsonlyrev6_1/SPI2_NSS: length 34.1
  Top w0.508: J6.2 27.57,5.04 25.64,3.11 5.14,3.11 5.14,3.19 4.48,3.85 4.48,8.36 4.88,8.76 J5.13
/electrosteel2020_10_arrange7_synthboardsonlyrev6_1/SPI2_SCK: length 16.8
  Top w0.508: J5.14 10.07,8.79 25,8.79 25.57,8.22 J6.1
/electrosteel2020_10_arrange7_synthboardsonlyrev6_1/SPI6_CLK: length 732.3
  Top w0.4: A10.29 117.07,30.93 v3(117.25,30.75) ; A6.29 307.03,31.03 v3(307,31) ; A9.29 336.28,1.97 v3(336.5,1.75) ; v3(370.59,31) 370.41,31.18 370.41,33.51 ; A4.29 253.41,31.16 v3(253.25,31) ; A3.29 174.04,1.96 v3(174.25,1.75) ; A1.29 117.25,2 v3(117.5,1.75) ; v3(199,30.75) 199.57,31.32 A2.29 ; A7.29 282.28,1.97 v3(282.5,1.75) ; v3(228.5,1.75) 228.28,1.97 A5.29
  Bottom w0.3: 8.87,20.25 8.79,20.17 4.83,20.17 4.75,20.25
  Bottom w0.4: v3(336.5,1.75) 336.25,1.75 ; v3(336.5,1.75) v3(282.5,1.75) v3(228.5,1.75) v3(174.25,1.75) v3(117.5,1.75) 5,1.75 4.25,2.5 4.25,19.75 4.75,20.25 ; v3(336.5,1.75) 366.01,1.75 374.63,10.37 384.46,10.37 384.59,10.5 384.59,26.25 379.84,31 v3(370.59,31) v3(307,31) v3(253.25,31) 253,30.75 v3(199,30.75) v3(117.25,30.75) ; 10.08,19.04 8.87,20.25
